# Altium PCB TOP.PcbDoc (part 1 of 2)
Units mil, origin at the board's own origin, x right, y up, seen from the top; angles counter-clockwise.
Board outline 5000 x 5000 mil, 4 copper layers (Top Layer, Mid-Layer 1, Mid-Layer 2, Bottom Layer); 94 components, 612 nets, 1905 pads, 0 vias.
Unrouted connection lines stored in the file: 1094.
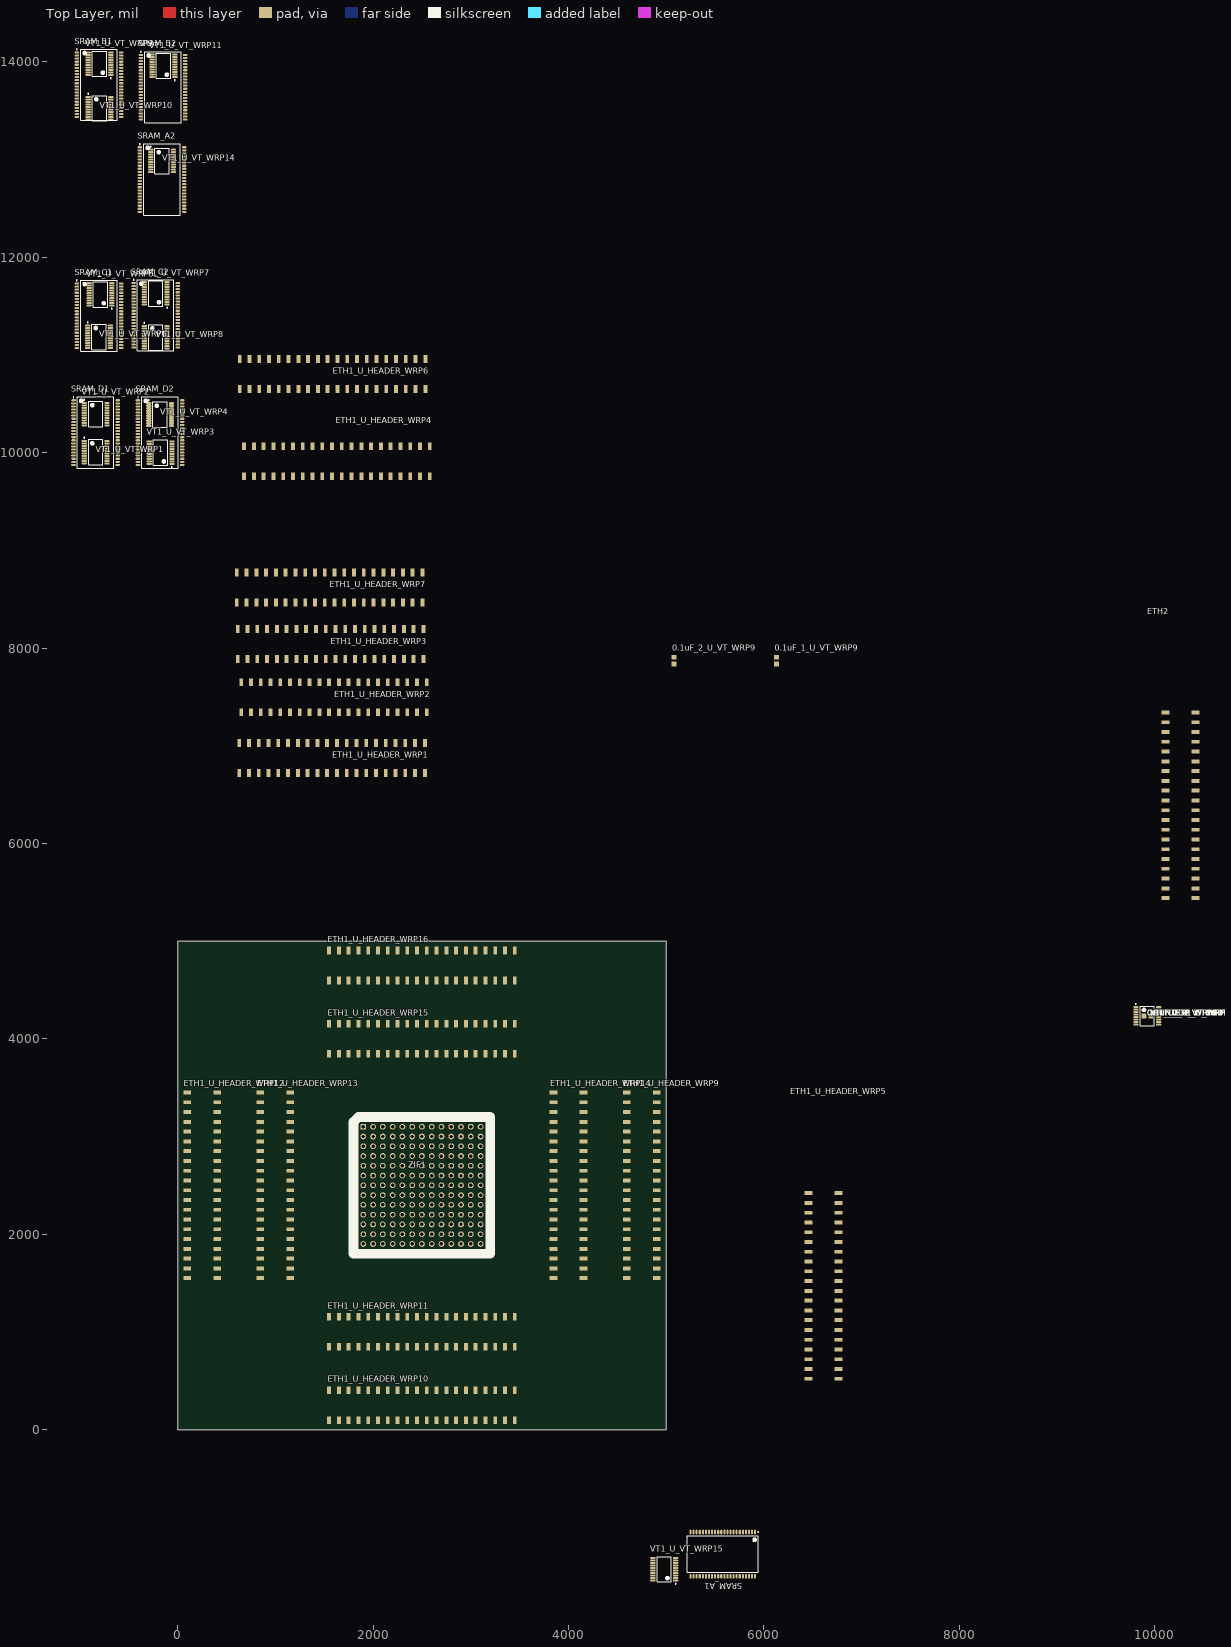
[diagram p0: Top Layer view]
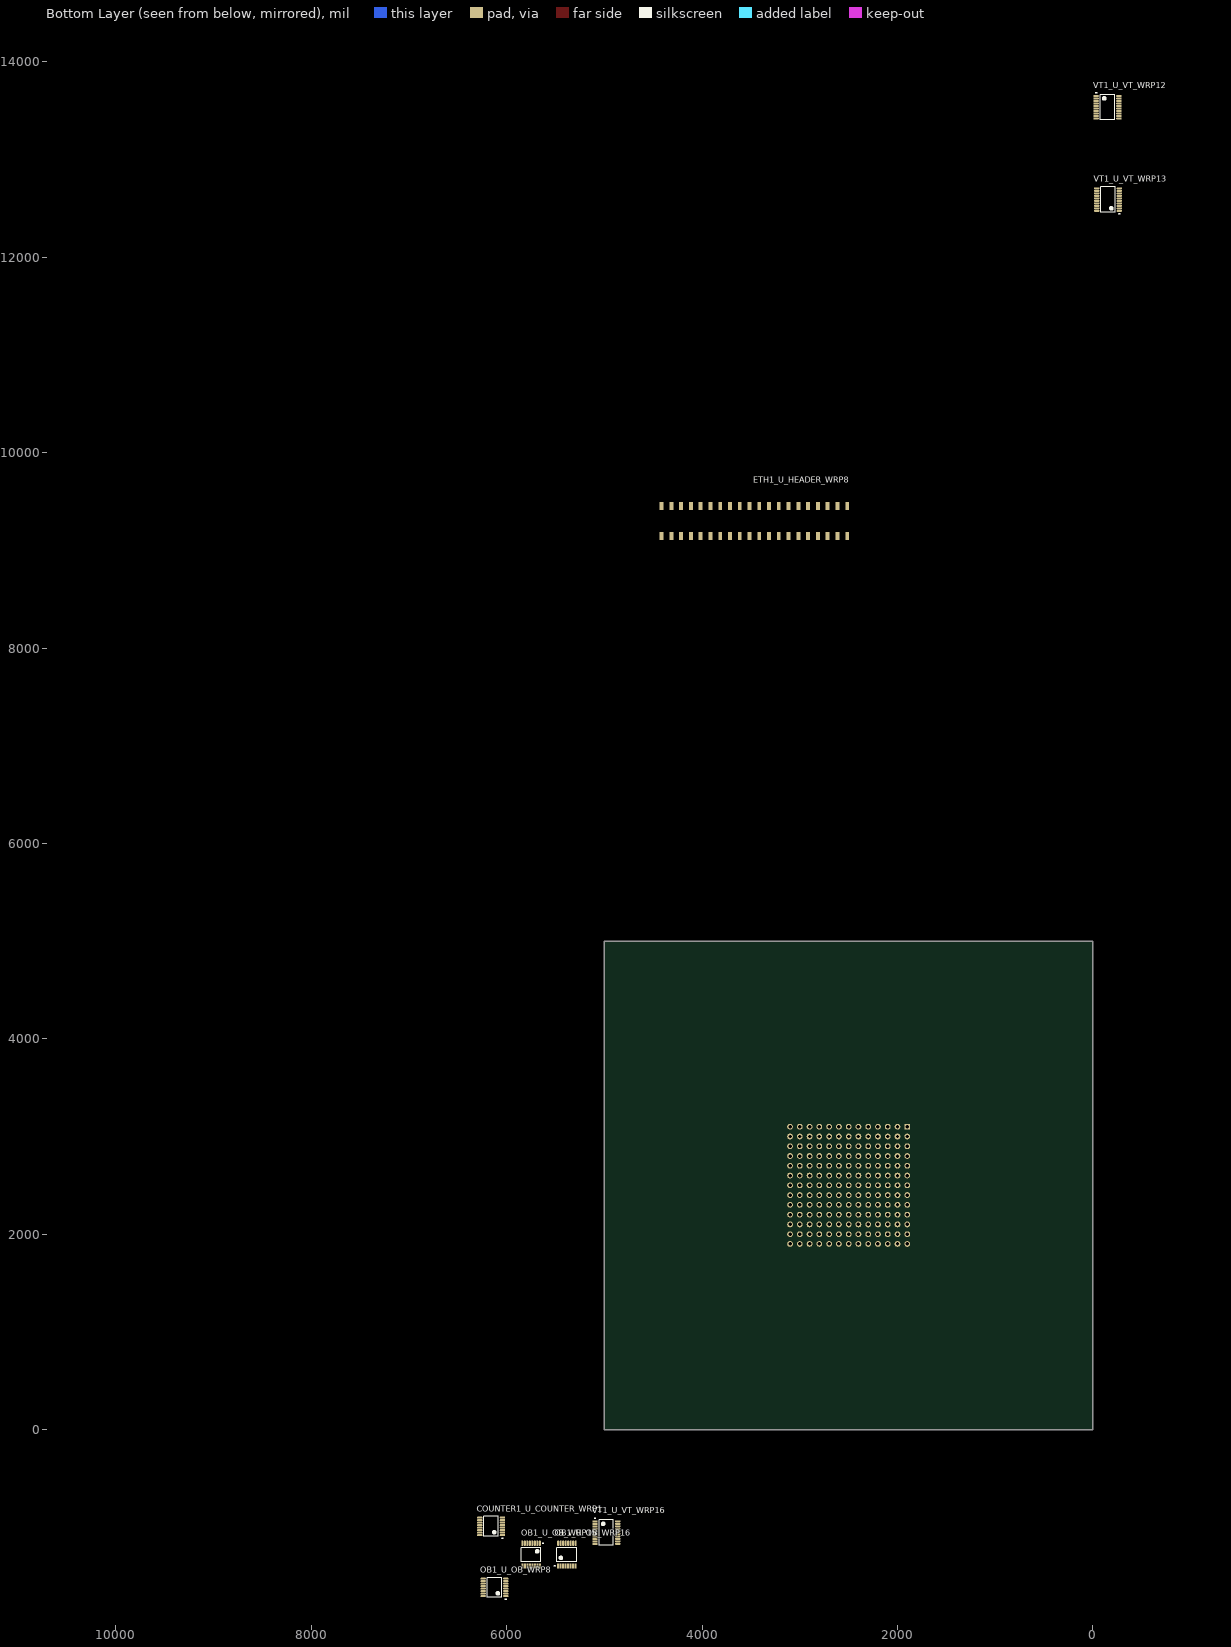
[diagram p1: Bottom Layer view, seen from below]

## Layer stack, top to bottom
Top Solder: solder mask 0.4, Solder Resist, Dk 3.5
Top Layer: signal copper 1.4
Dielectric 1: dielectric 12.6, FR-4, Dk 4.8
Mid-Layer 1: signal copper 1.4
Dielectric2: dielectric 12.6, FR-4, Dk 4.8
Mid-Layer 2: signal copper 1.4
Dielectric3: dielectric 12.6, FR-4, Dk 4.8
Bottom Layer: signal copper 1.4
Bottom Solder: solder mask 0.4, Solder Resist, Dk 3.5

## Board outline
0,0 5000,0 5000,5000 0,5000

## Design rules (kind name [scope] priority, off if disabled: settings)
Clearance [All] p1: gap=8
PolygonConnect [All] p1: connectstyle=Relief reliefconductorwidth=10 reliefentries=4 polygonreliefangle="90 Angle" airgapwidth=10
RoutingVias [All] p1: holewidth=25 width=40 viastyle="Through Hole" minholewidth=28 minwidth=50 maxholewidth=28 maxwidth=50
SolderMaskExpansion [All] p1: expansion=4
Width [All] p1: maxlimit=8 minlimit=8 preferedwidth=8
29 further rules are at their usual default settings.

## Classes and differential pairs
net class INSIDE[127..0]: INSIDE0 INSIDE1 INSIDE2 INSIDE3 INSIDE4 INSIDE5 INSIDE6 INSIDE7 INSIDE8 INSIDE9 INSIDE10 INSIDE11 INSIDE12 INSIDE13 INSIDE14 INSIDE15 INSIDE16 INSIDE17 INSIDE18 INSIDE19 INSIDE20 INSIDE21 INSIDE22 INSIDE23 INSIDE24 INSIDE25 INSIDE26 INSIDE27 INSIDE28 INSIDE29 INSIDE30 INSIDE31 INSIDE32 INSIDE33 INSIDE34 INSIDE35 INSIDE36 INSIDE37 INSIDE38 INSIDE39 INSIDE40 INSIDE41 INSIDE42 INSIDE43 INSIDE44 INSIDE45 INSIDE46 INSIDE47 INSIDE48 INSIDE49 INSIDE50 INSIDE51 INSIDE52 INSIDE53 INSIDE54 INSIDE55 INSIDE56 INSIDE57 INSIDE58 INSIDE59 INSIDE60 INSIDE61 INSIDE62 INSIDE63 INSIDE64 INSIDE65 INSIDE66 INSIDE67 INSIDE68 INSIDE69 INSIDE70 INSIDE71 INSIDE72 INSIDE73 INSIDE74 INSIDE75 INSIDE76 INSIDE77 INSIDE78 INSIDE79 INSIDE80 INSIDE81 INSIDE82 INSIDE83 INSIDE84 INSIDE85 INSIDE86 INSIDE87 INSIDE88 INSIDE89 INSIDE90 INSIDE91 INSIDE92 INSIDE93 INSIDE94 INSIDE95 INSIDE96 INSIDE97 INSIDE98 INSIDE99 INSIDE100 INSIDE101 INSIDE102 INSIDE103 INSIDE104 INSIDE105 INSIDE106 INSIDE107 INSIDE108 INSIDE109 INSIDE110 INSIDE111 INSIDE112 INSIDE113 INSIDE114 INSIDE115 INSIDE116 INSIDE117 INSIDE118 INSIDE119 INSIDE120 INSIDE121 INSIDE122 INSIDE123 INSIDE124 INSIDE125 INSIDE126 INSIDE127
channel class VT_WRP: U_VT_WRP1 U_VT_WRP2 U_VT_WRP3 U_VT_WRP4 U_VT_WRP5 U_VT_WRP6 U_VT_WRP7 U_VT_WRP8 U_VT_WRP9 U_VT_WRP10 U_VT_WRP11 U_VT_WRP12 U_VT_WRP13 U_VT_WRP14 U_VT_WRP15 U_VT_WRP16
channel class SRAM_WRP: U_SRAM_WRP1 U_SRAM_WRP2 U_SRAM_WRP3 U_SRAM_WRP4 U_SRAM_WRP5 U_SRAM_WRP6 U_SRAM_WRP7 U_SRAM_WRP8
channel class OB_WRP: U_OB_WRP1 U_OB_WRP2 U_OB_WRP3 U_OB_WRP4 U_OB_WRP5 U_OB_WRP6 U_OB_WRP7 U_OB_WRP8 U_OB_WRP9 U_OB_WRP10 U_OB_WRP11 U_OB_WRP12 U_OB_WRP13 U_OB_WRP14 U_OB_WRP15 U_OB_WRP16
channel class HEADER_WRP: U_HEADER_WRP1 U_HEADER_WRP2 U_HEADER_WRP3 U_HEADER_WRP4 U_HEADER_WRP5 U_HEADER_WRP6 U_HEADER_WRP7 U_HEADER_WRP8 U_HEADER_WRP9 U_HEADER_WRP10 U_HEADER_WRP11 U_HEADER_WRP12 U_HEADER_WRP13 U_HEADER_WRP14 U_HEADER_WRP15 U_HEADER_WRP16
channel class HEADER_BANK: U_HEADER_BANK1 U_HEADER_BANK2
channel class COUNTER_WRP: U_COUNTER_WRP1 U_COUNTER_WRP2 U_COUNTER_WRP3 U_COUNTER_WRP4
net class EXTERNAL[127..0]: EXTERNAL0 EXTERNAL1 EXTERNAL2 EXTERNAL3 EXTERNAL4 EXTERNAL5 EXTERNAL6 EXTERNAL7 EXTERNAL8 EXTERNAL9 EXTERNAL10 EXTERNAL11 EXTERNAL12 EXTERNAL13 EXTERNAL14 EXTERNAL15 EXTERNAL16 EXTERNAL17 EXTERNAL18 EXTERNAL19 EXTERNAL20 EXTERNAL21 EXTERNAL22 EXTERNAL23 EXTERNAL24 EXTERNAL25 EXTERNAL26 EXTERNAL27 EXTERNAL28 EXTERNAL29 EXTERNAL30 EXTERNAL31 EXTERNAL32 EXTERNAL33 EXTERNAL34 EXTERNAL35 EXTERNAL36 EXTERNAL37 EXTERNAL38 EXTERNAL39 EXTERNAL40 EXTERNAL41 EXTERNAL42 EXTERNAL43 EXTERNAL44 EXTERNAL45 EXTERNAL46 EXTERNAL47 EXTERNAL48 EXTERNAL49 EXTERNAL50 EXTERNAL51 EXTERNAL52 EXTERNAL53 EXTERNAL54 EXTERNAL55 EXTERNAL56 EXTERNAL57 EXTERNAL58 EXTERNAL59 EXTERNAL60 EXTERNAL61 EXTERNAL62 EXTERNAL63 EXTERNAL64 EXTERNAL65 EXTERNAL66 EXTERNAL67 EXTERNAL68 EXTERNAL69 EXTERNAL70 EXTERNAL71 EXTERNAL72 EXTERNAL73 EXTERNAL74 EXTERNAL75 EXTERNAL76 EXTERNAL77 EXTERNAL78 EXTERNAL79 EXTERNAL80 EXTERNAL81 EXTERNAL82 EXTERNAL83 EXTERNAL84 EXTERNAL85 EXTERNAL86 EXTERNAL87 EXTERNAL88 EXTERNAL89 EXTERNAL90 EXTERNAL91 EXTERNAL92 EXTERNAL93 EXTERNAL94 EXTERNAL95 EXTERNAL96 EXTERNAL97 EXTERNAL98 EXTERNAL99 EXTERNAL100 EXTERNAL101 EXTERNAL102 EXTERNAL103 EXTERNAL104 EXTERNAL105 EXTERNAL106 EXTERNAL107 EXTERNAL108 EXTERNAL109 EXTERNAL110 EXTERNAL111 EXTERNAL112 EXTERNAL113 EXTERNAL114 EXTERNAL115 EXTERNAL116 EXTERNAL117 EXTERNAL118 EXTERNAL119 EXTERNAL120 EXTERNAL121 EXTERNAL122 EXTERNAL123 EXTERNAL124 EXTERNAL125 EXTERNAL126 EXTERNAL127
component class U_ZIF_WRP: ZIF1
component class U_VT_WRP16: 0.1uF_1_U_VT_WRP16 0.1uF_2_U_VT_WRP16 VT1_U_VT_WRP16
component class U_VT_WRP15: 0.1uF_1_U_VT_WRP15 0.1uF_2_U_VT_WRP15 VT1_U_VT_WRP15
component class U_VT_WRP14: 0.1uF_1_U_VT_WRP14 0.1uF_2_U_VT_WRP14 VT1_U_VT_WRP14
component class U_VT_WRP13: 0.1uF_1_U_VT_WRP13 0.1uF_2_U_VT_WRP13 VT1_U_VT_WRP13
component class U_VT_WRP12: 0.1uF_1_U_VT_WRP12 0.1uF_2_U_VT_WRP12 VT1_U_VT_WRP12
component class U_VT_WRP11: 0.1uF_1_U_VT_WRP11 0.1uF_2_U_VT_WRP11 VT1_U_VT_WRP11
component class U_VT_WRP10: 0.1uF_1_U_VT_WRP10 0.1uF_2_U_VT_WRP10 VT1_U_VT_WRP10
component class U_VT_WRP9: 0.1uF_1_U_VT_WRP9 0.1uF_2_U_VT_WRP9 VT1_U_VT_WRP9
component class U_VT_WRP8: 0.1uF_1_U_VT_WRP8 0.1uF_2_U_VT_WRP8 VT1_U_VT_WRP8
component class U_VT_WRP7: 0.1uF_1_U_VT_WRP7 0.1uF_2_U_VT_WRP7 VT1_U_VT_WRP7
component class U_VT_WRP6: 0.1uF_1_U_VT_WRP6 0.1uF_2_U_VT_WRP6 VT1_U_VT_WRP6
component class U_VT_WRP5: 0.1uF_1_U_VT_WRP5 0.1uF_2_U_VT_WRP5 VT1_U_VT_WRP5
component class U_VT_WRP4: 0.1uF_1_U_VT_WRP4 0.1uF_2_U_VT_WRP4 VT1_U_VT_WRP4
component class U_VT_WRP3: 0.1uF_1_U_VT_WRP3 0.1uF_2_U_VT_WRP3 VT1_U_VT_WRP3
component class U_VT_WRP2: 0.1uF_1_U_VT_WRP2 0.1uF_2_U_VT_WRP2 VT1_U_VT_WRP2
component class U_VT_WRP1: 0.1uF_1_U_VT_WRP1 0.1uF_2_U_VT_WRP1 VT1_U_VT_WRP1
component class U_SRAM_WRP8: SRAM_A1
component class U_SRAM_WRP7: SRAM_A2
component class U_SRAM_WRP6: SRAM_B2
component class U_SRAM_WRP5: SRAM_B1
component class U_SRAM_WRP4: SRAM_C2
component class U_SRAM_WRP3: SRAM_C1
component class U_SRAM_WRP2: SRAM_D2
component class U_SRAM_WRP1: SRAM_D1
component class U_OB_WRP16: OB1_U_OB_WRP16
component class U_OB_WRP15: OB1_U_OB_WRP15
component class U_OB_WRP14: OB1_U_OB_WRP14
component class U_OB_WRP13: OB1_U_OB_WRP13
component class U_OB_WRP12: OB1_U_OB_WRP12
component class U_OB_WRP11: OB1_U_OB_WRP11
component class U_OB_WRP10: OB1_U_OB_WRP10
component class U_OB_WRP9: OB1_U_OB_WRP9
component class U_OB_WRP8: OB1_U_OB_WRP8
component class U_OB_WRP7: OB1_U_OB_WRP7
component class U_OB_WRP6: OB1_U_OB_WRP6
component class U_OB_WRP5: OB1_U_OB_WRP5
component class U_OB_WRP4: OB1_U_OB_WRP4
component class U_OB_WRP3: OB1_U_OB_WRP3
component class U_OB_WRP2: OB1_U_OB_WRP2
component class U_OB_WRP1: OB1_U_OB_WRP1
component class U_HEADER_WRP16: ETH1_U_HEADER_WRP16
component class U_HEADER_WRP15: ETH1_U_HEADER_WRP15
component class U_HEADER_WRP14: ETH1_U_HEADER_WRP14
component class U_HEADER_WRP13: ETH1_U_HEADER_WRP13
component class U_HEADER_WRP12: ETH1_U_HEADER_WRP12
component class U_HEADER_WRP11: ETH1_U_HEADER_WRP11
component class U_HEADER_WRP10: ETH1_U_HEADER_WRP10
component class U_HEADER_WRP9: ETH1_U_HEADER_WRP9
component class U_HEADER_WRP8: ETH1_U_HEADER_WRP8
component class U_HEADER_WRP7: ETH1_U_HEADER_WRP7
component class U_HEADER_WRP6: ETH1_U_HEADER_WRP6
component class U_HEADER_WRP5: ETH1_U_HEADER_WRP5
component class U_HEADER_WRP4: ETH1_U_HEADER_WRP4
component class U_HEADER_WRP3: ETH1_U_HEADER_WRP3
component class U_HEADER_WRP2: ETH1_U_HEADER_WRP2
component class U_HEADER_WRP1: ETH1_U_HEADER_WRP1
component class U_FPGA_HEADER: ETH2
component class U_COUNTER_WRP4: COUNTER1_U_COUNTER_WRP4
component class U_COUNTER_WRP3: COUNTER1_U_COUNTER_WRP3
component class U_COUNTER_WRP2: COUNTER1_U_COUNTER_WRP2
component class U_COUNTER_WRP1: COUNTER1_U_COUNTER_WRP1

## Components (designator, comment, footprint, x,y, rotation, side; value= is the part's Value field where it differs from the comment)
0.1uF_1_U_VT_WRP1 "0.1uF_0603" 0.1uF_0603 9924.5,4234.5 r0 top (schematic designator 0.1uF_1)
0.1uF_1_U_VT_WRP2 "0.1uF_0603" 0.1uF_0603 9924.5,4234.5 r0 top (schematic designator 0.1uF_1)
0.1uF_1_U_VT_WRP3 "0.1uF_0603" 0.1uF_0603 9924.5,4234.5 r0 top (schematic designator 0.1uF_1)
0.1uF_1_U_VT_WRP4 "0.1uF_0603" 0.1uF_0603 9924.5,4234.5 r0 top (schematic designator 0.1uF_1)
0.1uF_1_U_VT_WRP5 "0.1uF_0603" 0.1uF_0603 9924.5,4234.5 r0 top (schematic designator 0.1uF_1)
0.1uF_1_U_VT_WRP6 "0.1uF_0603" 0.1uF_0603 9924.5,4234.5 r0 top (schematic designator 0.1uF_1)
0.1uF_1_U_VT_WRP7 "0.1uF_0603" 0.1uF_0603 9924.5,4234.5 r0 top (schematic designator 0.1uF_1)
0.1uF_1_U_VT_WRP8 "0.1uF_0603" 0.1uF_0603 9924.5,4234.5 r0 top (schematic designator 0.1uF_1)
0.1uF_1_U_VT_WRP9 "0.1uF_0603" 0.1uF_0603 6130,7870 r90 top (schematic designator 0.1uF_1)
0.1uF_1_U_VT_WRP10 "0.1uF_0603" 0.1uF_0603 9924.5,4234.5 r0 top (schematic designator 0.1uF_1)
0.1uF_1_U_VT_WRP11 "0.1uF_0603" 0.1uF_0603 9924.5,4234.5 r0 top (schematic designator 0.1uF_1)
0.1uF_1_U_VT_WRP12 "0.1uF_0603" 0.1uF_0603 9924.5,4234.5 r0 top (schematic designator 0.1uF_1)
0.1uF_1_U_VT_WRP13 "0.1uF_0603" 0.1uF_0603 9924.5,4234.5 r0 top (schematic designator 0.1uF_1)
0.1uF_1_U_VT_WRP14 "0.1uF_0603" 0.1uF_0603 9924.5,4234.5 r0 top (schematic designator 0.1uF_1)
0.1uF_1_U_VT_WRP15 "0.1uF_0603" 0.1uF_0603 9924.5,4234.5 r0 top (schematic designator 0.1uF_1)
0.1uF_1_U_VT_WRP16 "0.1uF_0603" 0.1uF_0603 9924.5,4234.5 r0 top (schematic designator 0.1uF_1)
0.1uF_2_U_VT_WRP1 "0.1uF_0603" 0.1uF_0603 9924.5,4234.5 r0 top (schematic designator 0.1uF_2)
0.1uF_2_U_VT_WRP2 "0.1uF_0603" 0.1uF_0603 9924.5,4234.5 r0 top (schematic designator 0.1uF_2)
0.1uF_2_U_VT_WRP3 "0.1uF_0603" 0.1uF_0603 9924.5,4234.5 r0 top (schematic designator 0.1uF_2)
0.1uF_2_U_VT_WRP4 "0.1uF_0603" 0.1uF_0603 9924.5,4234.5 r0 top (schematic designator 0.1uF_2)
0.1uF_2_U_VT_WRP5 "0.1uF_0603" 0.1uF_0603 9924.5,4234.5 r0 top (schematic designator 0.1uF_2)
0.1uF_2_U_VT_WRP6 "0.1uF_0603" 0.1uF_0603 9924.5,4234.5 r0 top (schematic designator 0.1uF_2)
0.1uF_2_U_VT_WRP7 "0.1uF_0603" 0.1uF_0603 9924.5,4234.5 r0 top (schematic designator 0.1uF_2)
0.1uF_2_U_VT_WRP8 "0.1uF_0603" 0.1uF_0603 9924.5,4234.5 r0 top (schematic designator 0.1uF_2)
0.1uF_2_U_VT_WRP9 "0.1uF_0603" 0.1uF_0603 5080,7870 r90 top (schematic designator 0.1uF_2)
0.1uF_2_U_VT_WRP10 "0.1uF_0603" 0.1uF_0603 9924.5,4234.5 r0 top (schematic designator 0.1uF_2)
0.1uF_2_U_VT_WRP11 "0.1uF_0603" 0.1uF_0603 9924.5,4234.5 r0 top (schematic designator 0.1uF_2)
0.1uF_2_U_VT_WRP12 "0.1uF_0603" 0.1uF_0603 9924.5,4234.5 r0 top (schematic designator 0.1uF_2)
0.1uF_2_U_VT_WRP13 "0.1uF_0603" 0.1uF_0603 9924.5,4234.5 r0 top (schematic designator 0.1uF_2)
0.1uF_2_U_VT_WRP14 "0.1uF_0603" 0.1uF_0603 9924.5,4234.5 r0 top (schematic designator 0.1uF_2)
0.1uF_2_U_VT_WRP15 "0.1uF_0603" 0.1uF_0603 9924.5,4234.5 r0 top (schematic designator 0.1uF_2)
0.1uF_2_U_VT_WRP16 "0.1uF_0603" 0.1uF_0603 9924.5,4234.5 r0 top (schematic designator 0.1uF_2)
COUNTER1_U_COUNTER_WRP1 "74VHC4040FT(BJ)" COUNTER_TSSOP16 6160,-990 r0 bottom (schematic designator COUNTER1)
COUNTER1_U_COUNTER_WRP2 "74VHC4040FT(BJ)" COUNTER_TSSOP16 9924.5,4234.5 r0 top (schematic designator COUNTER1)
COUNTER1_U_COUNTER_WRP3 "74VHC4040FT(BJ)" COUNTER_TSSOP16 9924.5,4234.5 r0 top (schematic designator COUNTER1)
COUNTER1_U_COUNTER_WRP4 "74VHC4040FT(BJ)" COUNTER_TSSOP16 9924.5,4234.5 r0 top (schematic designator COUNTER1)
ETH1_U_HEADER_WRP1 "ADAFRUIT_HEADER" FEMALE_HEADER_SMD 1580,6875 r0 top (schematic designator ETH1)
ETH1_U_HEADER_WRP2 "ADAFRUIT_HEADER" FEMALE_HEADER_SMD 1600,7495 r0 top (schematic designator ETH1)
ETH1_U_HEADER_WRP3 "ADAFRUIT_HEADER" FEMALE_HEADER_SMD 1565,8040 r0 top (schematic designator ETH1)
ETH1_U_HEADER_WRP4 "ADAFRUIT_HEADER" FEMALE_HEADER_SMD 1630,9910 r0 top (schematic designator ETH1)
ETH1_U_HEADER_WRP5 "ADAFRUIT_HEADER" FEMALE_HEADER_SMD 6610,1470 r90 top (schematic designator ETH1)
ETH1_U_HEADER_WRP6 "ADAFRUIT_HEADER" FEMALE_HEADER_SMD 1585,10805 r0 top (schematic designator ETH1)
ETH1_U_HEADER_WRP7 "ADAFRUIT_HEADER" FEMALE_HEADER_SMD 1555,8620 r0 top (schematic designator ETH1)
ETH1_U_HEADER_WRP8 "ADAFRUIT_HEADER" FEMALE_HEADER_SMD 3465,9300 r180 bottom (schematic designator ETH1)
ETH1_U_HEADER_WRP9 "ADAFRUIT_HEADER" FEMALE_HEADER_SMD 4750,2500 r90 top (schematic designator ETH1)
ETH1_U_HEADER_WRP10 "ADAFRUIT_HEADER" FEMALE_HEADER_SMD 2500,250 r180 top (schematic designator ETH1)
ETH1_U_HEADER_WRP11 "ADAFRUIT_HEADER" FEMALE_HEADER_SMD 2500,1000 r180 top (schematic designator ETH1)
ETH1_U_HEADER_WRP12 "ADAFRUIT_HEADER" FEMALE_HEADER_SMD 250,2500 r90 top (schematic designator ETH1)
ETH1_U_HEADER_WRP13 "ADAFRUIT_HEADER" FEMALE_HEADER_SMD 1000,2500 r270 top (schematic designator ETH1)
ETH1_U_HEADER_WRP14 "ADAFRUIT_HEADER" FEMALE_HEADER_SMD 4000,2500 r270 top (schematic designator ETH1)
ETH1_U_HEADER_WRP15 "ADAFRUIT_HEADER" FEMALE_HEADER_SMD 2500,4000 r180 top (schematic designator ETH1)
ETH1_U_HEADER_WRP16 "ADAFRUIT_HEADER" FEMALE_HEADER_SMD 2500,4750 r180 top (schematic designator ETH1)
ETH2 "ADAFRUIT_HEADER" FEMALE_HEADER_SMD 10265,6390 r90 top
OB1_U_OB_WRP1 "74HC597PW,118" OB_TSSOP16 9924.5,4234.5 r0 top (schematic designator OB1)
OB1_U_OB_WRP2 "74HC597PW,118" OB_TSSOP16 9924.5,4234.5 r0 top (schematic designator OB1)
OB1_U_OB_WRP3 "74HC597PW,118" OB_TSSOP16 9924.5,4234.5 r0 top (schematic designator OB1)
OB1_U_OB_WRP4 "74HC597PW,118" OB_TSSOP16 9924.5,4234.5 r0 top (schematic designator OB1)
OB1_U_OB_WRP5 "74HC597PW,118" OB_TSSOP16 9924.5,4234.5 r0 top (schematic designator OB1)
OB1_U_OB_WRP6 "74HC597PW,118" OB_TSSOP16 9924.5,4234.5 r0 top (schematic designator OB1)
OB1_U_OB_WRP7 "74HC597PW,118" OB_TSSOP16 9924.5,4234.5 r0 top (schematic designator OB1)
OB1_U_OB_WRP8 "74HC597PW,118" OB_TSSOP16 6125,-1615 r0 bottom (schematic designator OB1)
OB1_U_OB_WRP9 "74HC597PW,118" OB_TSSOP16 9924.5,4234.5 r0 top (schematic designator OB1)
OB1_U_OB_WRP10 "74HC597PW,118" OB_TSSOP16 9924.5,4234.5 r0 top (schematic designator OB1)
OB1_U_OB_WRP11 "74HC597PW,118" OB_TSSOP16 9924.5,4234.5 r0 top (schematic designator OB1)
OB1_U_OB_WRP12 "74HC597PW,118" OB_TSSOP16 9924.5,4234.5 r0 top (schematic designator OB1)
OB1_U_OB_WRP13 "74HC597PW,118" OB_TSSOP16 9924.5,4234.5 r0 top (schematic designator OB1)
OB1_U_OB_WRP14 "74HC597PW,118" OB_TSSOP16 9924.5,4234.5 r0 top (schematic designator OB1)
OB1_U_OB_WRP15 "74HC597PW,118" OB_TSSOP16 5750,-1280 r270 bottom (schematic designator OB1)
OB1_U_OB_WRP16 "74HC597PW,118" OB_TSSOP16 5385,-1280 r90 bottom (schematic designator OB1)
SRAM_A1 "71V016SA10PHG" SRAM_TSSOP44-II 5580,-1275 r270 top (schematic designator SRAM1)
SRAM_A2 "71V016SA10PHG" SRAM_TSSOP44-II -160,12795 r0 top (schematic designator SRAM1)
SRAM_B1 "71V016SA10PHG" SRAM_TSSOP44-II -805,13765 r0 top (schematic designator SRAM1)
SRAM_B2 "71V016SA10PHG" SRAM_TSSOP44-II -150,13740 r0 top (schematic designator SRAM1)
SRAM_C1 "71V016SA10PHG" SRAM_TSSOP44-II -805,11400 r0 top (schematic designator SRAM1)
SRAM_C2 "71V016SA10PHG" SRAM_TSSOP44-II -225,11405 r0 top (schematic designator SRAM1)
SRAM_D1 "71V016SA10PHG" SRAM_TSSOP44-II -840,10205 r0 top (schematic designator SRAM1)
SRAM_D2 "71V016SA10PHG" SRAM_TSSOP44-II -180,10205 r0 top (schematic designator SRAM1)
VT1_U_VT_WRP1 "MAX3012EUP+" VT_TSSOP20 -840,10005 r0 top (schematic designator VT1)
VT1_U_VT_WRP2 "MAX3012EUP+" VT_TSSOP20 -840,10395 r0 top (schematic designator VT1)
VT1_U_VT_WRP3 "MAX3012EUP+" VT_TSSOP20 -175,10000 r180 top (schematic designator VT1)
VT1_U_VT_WRP4 "MAX3012EUP+" VT_TSSOP20 -180,10390 r0 top (schematic designator VT1)
VT1_U_VT_WRP5 "MAX3012EUP+" VT_TSSOP20 -790,11620 r180 top (schematic designator VT1)
VT1_U_VT_WRP6 "MAX3012EUP+" VT_TSSOP20 -805,11185 r0 top (schematic designator VT1)
VT1_U_VT_WRP7 "MAX3012EUP+" VT_TSSOP20 -225,11630 r180 top (schematic designator VT1)
VT1_U_VT_WRP8 "MAX3012EUP+" VT_TSSOP20 -225,11180 r0 top (schematic designator VT1)
VT1_U_VT_WRP9 "MAX3012EUP+" VT_TSSOP20 -800,13980 r180 top (schematic designator VT1)
VT1_U_VT_WRP10 "MAX3012EUP+" VT_TSSOP20 -800,13525 r0 top (schematic designator VT1)
VT1_U_VT_WRP11 "MAX3012EUP+" VT_TSSOP20 -145,13960 r180 top (schematic designator VT1)
VT1_U_VT_WRP12 "MAX3012EUP+" VT_TSSOP20 -150,13535 r180 bottom (schematic designator VT1)
VT1_U_VT_WRP13 "MAX3012EUP+" VT_TSSOP20 -155,12590 r0 bottom (schematic designator VT1)
VT1_U_VT_WRP14 "MAX3012EUP+" VT_TSSOP20 -160,12985 r0 top (schematic designator VT1)
VT1_U_VT_WRP15 "MAX3012EUP+" VT_TSSOP20 4980,-1430 r180 top (schematic designator VT1)
VT1_U_VT_WRP16 "MAX3012EUP+" VT_TSSOP20 4980,-1055 r180 bottom (schematic designator VT1)
ZIF1 "200-6313-9UN-1900" ZIF_13X13 2500,2500 r0 top

## Footprints (in the part's own frame and the unit in brackets; to place one, negate y for a bottom-side part, rotate by r counter-clockwise, add the part's x,y. Pads: shape width x height; smd on the part's side, far side on the other; paste and mask are expansions set on the pad)
0.1uF_0603 [mil]
  rect 50x50 smd: 1(-35,0) 2(35,0)
COUNTER_TSSOP16 [mm] "TSOP, 16-Leads, Body 5.00x4.40mm, Pitch 0.65mm, IPC Medium Density"
  oval 1.4x0.525 smd: ADDR0(2.95,-2.275) ADDR1(-2.95,-1.625) ADDR2(-2.95,-0.975) ADDR3(-2.95,-0.325) ADDR4(-2.95,0.975) ADDR5(-2.95,1.625) ADDR6(-2.95,0.325) ADDR7(2.95,0.325) ADDR8(2.95,-0.325) ADDR9(2.95,0.975) ADDR10(2.95,1.625) ADDR11(-2.95,2.275) CLR(2.95,-0.975) GND(-2.95,-2.275) VCC(2.95,2.275) ~CLK(2.95,-1.625)
  silkscreen extent -3.07,-2.55 1.85,3.21, body extent -3.2,-2.55 3.2,2.55, height 1.2
FEMALE_HEADER_SMD [mm]
  rect 1x2 smd: 1(-24.13,-3.9) 2(-21.59,-3.9) 3(-19.05,-3.9) 4(-16.51,-3.9) 5(-13.97,-3.9) 6(-11.43,-3.9) 7(-8.89,-3.9) 8(-6.35,-3.9) 9(-3.81,-3.9) 10(-1.27,-3.9) 11(1.27,-3.9) 12(3.81,-3.9) 13(6.35,-3.9) 14(8.89,-3.9) 15(11.43,-3.9) 16(13.97,-3.9) 17(16.51,-3.9) 18(19.05,-3.9) 19(21.59,-3.9) 20(24.13,-3.9) 21(-24.13,3.9) 22(-21.59,3.9) 23(-19.05,3.9) 24(-16.51,3.9) 25(-13.97,3.9) 26(-11.43,3.9) 27(-8.89,3.9) 28(-6.35,3.9) 29(-3.81,3.9) 30(-1.27,3.9) 31(1.27,3.9) 32(3.81,3.9) 33(6.35,3.9) 34(8.89,3.9) 35(11.43,3.9) 36(13.97,3.9) 37(16.51,3.9) 38(19.05,3.9) 39(21.59,3.9) 40(24.13,3.9)
OB_TSSOP16 [mm] "TSOP, 16-Leads, Body 5.00x4.40mm, Pitch 0.65mm, IPC Medium Density"
  oval 1.4x0.525 smd: D0(2.95,1.625) D1(-2.95,2.275) D2(-2.95,1.625) D3(-2.95,0.975) D4(-2.95,0.325) D5(-2.95,-0.325) D6(-2.95,-0.975) D7(-2.95,-1.625) DS(2.95,0.975) GND(-2.95,-2.275) Q(2.95,-2.275) SHCP(2.95,-0.975) STCP(2.95,-0.325) VCC(2.95,2.275) ~MR(2.95,-1.625) ~PL(2.95,0.325)
  silkscreen extent -3.07,-2.55 1.85,3.21, body extent -3.2,-2.55 3.2,2.55, height 1.1
SRAM_TSSOP44-II [mm] "TSOP, 44-Leads, Body 18.41x10.16mm, Pitch 0.80mm, IPC Medium Density"
  oval 1.2x0.55 smd: ADDR0(-5.75,5.2) ADDR1(-5.75,6) ADDR2(-5.75,6.8) ADDR3(-5.75,7.6) ADDR4(-5.75,8.4) ADDR5(5.75,8.4) ADDR6(5.75,7.6) ADDR7(5.75,6.8) ADDR8(5.75,-5.2) ADDR9(5.75,-6) ADDR10(5.75,-6.8) ADDR11(5.75,-7.6) ADDR12(-5.75,-7.6) ADDR13(-5.75,-6.8) ADDR14(-5.75,-6) ADDR15(-5.75,-5.2) DATA0(-5.75,3.6) DATA1(-5.75,2.8) DATA2(-5.75,2) DATA3(-5.75,1.2) DATA4(-5.75,-1.2) DATA5(-5.75,-2) DATA6(-5.75,-2.8) DATA7(-5.75,-3.6) DATA8(5.75,-3.6) DATA9(5.75,-2.8) DATA10(5.75,-2) DATA11(5.75,-1.2) DATA12(5.75,1.2) DATA13(5.75,2) DATA14(5.75,2.8) DATA15(5.75,3.6) NC1(5.75,-8.4) NC2(5.75,-4.4) NC3(-5.75,-8.4) VDD(-5.75,0.4) VDD(5.75,-0.4) VSS(-5.75,-0.4) VSS(5.75,0.4) ~BHE(5.75,5.2) ~BLE(5.75,4.4) ~CS(-5.75,4.4) ~OE(5.75,6) ~WE(-5.75,-4.4)
  silkscreen extent -5.87,-9.25 4.75,9.35, body extent -5.92,-9.25 5.92,9.25, height 1.19
VT_TSSOP20 [mm] "TSOP, 20-Leads, Body 6.50x4.40mm, Pitch 0.65mm, IPC Medium Density"
  oval 1.4x0.525 smd: EN(-2.95,-2.925) GND(2.95,-2.925) IVCC0(2.95,2.925) IVCC1(2.95,1.625) IVCC2(2.95,0.975) IVCC3(2.95,0.325) IVCC4(2.95,-0.325) IVCC5(2.95,-0.975) IVCC6(2.95,-1.625) IVCC7(2.95,-2.275) OVL0(-2.95,2.925) OVL1(-2.95,1.625) OVL2(-2.95,0.975) OVL3(-2.95,0.325) OVL4(-2.95,-0.325) OVL5(-2.95,-0.975) OVL6(-2.95,-1.625) OVL7(-2.95,-2.275) VCC(2.95,2.275) VL(-2.95,2.275)
  silkscreen extent -3.07,-3.3 1.85,3.86, body extent -3.2,-3.3 3.2,3.3, height 1.1
ZIF_13X13 [mm]
  round 1.5 hole 0.9: 1(-12.7,15.24) 2(-10.16,15.24) 3(-7.62,15.24) 4(-5.08,15.24) 5(-2.54,15.24) 6(0,15.24) 7(2.54,15.24) 8(5.08,15.24) 9(7.62,15.24) 10(10.16,15.24) 11(12.7,15.24) 12(15.24,15.24) 13(-12.7,12.7) 14(-10.16,12.7) 15(-7.62,12.7) 16(-5.08,12.7) 17(-2.54,12.7) 18(0,12.7) 19(2.54,12.7) 20(5.08,12.7) 21(7.62,12.7) 22(10.16,12.7) 23(12.7,12.7) 24(15.24,12.7) 25(-12.7,10.16) 26(-10.16,10.16) 27(-7.62,10.16) 28(-5.08,10.16) 29(-2.54,10.16) 30(0,10.16) 31(2.54,10.16) 32(5.08,10.16) 33(7.62,10.16) 34(10.16,10.16) 35(12.7,10.16) 36(15.24,10.16) 37(-12.7,7.62) 38(-10.16,7.62) 39(-7.62,7.62) 40(-2.54,7.62) 41(0,7.62) 42(2.54,7.62) 43(10.16,7.62) 44(12.7,7.62) 45(15.24,7.62) 46(-12.7,5.08) 47(-10.16,5.08) 48(-7.62,5.08) 49(10.16,5.08) 50(12.7,5.08) 51(15.24,5.08) 52(-12.7,2.54) 53(-10.16,2.54) 54(-7.62,2.54) 55(7.62,2.54) 56(10.16,2.54) 57(12.7,2.54) 58(15.24,2.54) 59(-12.7,0) 60(-10.16,0) 61(-7.62,0) 62(7.62,0) 63(10.16,0) 64(12.7,0) 65(15.24,0) 66(-12.7,-2.54) 67(-10.16,-2.54) 68(-7.62,-2.54) 69(7.62,-2.54) 70(10.16,-2.54) 71(12.7,-2.54) 72(15.24,-2.54) 73(-12.7,-5.08) 74(-10.16,-5.08) 75(-7.62,-5.08) 76(10.16,-5.08) 77(12.7,-5.08) 78(15.24,-5.08) 79(-12.7,-7.62) 80(-10.16,-7.62) 81(-7.62,-7.62) 82(-5.08,-7.62) 83(-2.54,-7.62) 84(0,-7.62) 85(2.54,-7.62) 86(5.08,-7.62) 87(7.62,-7.62) 88(10.16,-7.62) 89(12.7,-7.62) 90(15.24,-7.62) 91(-12.7,-10.16) 92(-10.16,-10.16) 93(-7.62,-10.16) 94(-5.08,-10.16) 95(-2.54,-10.16) 96(0,-10.16) 97(2.54,-10.16) 98(5.08,-10.16) 99(7.62,-10.16) 100(10.16,-10.16) 101(12.7,-10.16) 102(15.24,-10.16) 103(-12.7,-12.7) 104(-10.16,-12.7) 105(-7.62,-12.7) 106(-5.08,-12.7) 107(-2.54,-12.7) 108(0,-12.7) 109(2.54,-12.7) 110(5.08,-12.7) 111(7.62,-12.7) 112(10.16,-12.7) 113(12.7,-12.7) 114(15.24,-12.7) 115(-12.7,-15.24) 116(-10.16,-15.24) 117(-7.62,-15.24) 118(-5.08,-15.24) 119(-2.54,-15.24) 120(0,-15.24) 121(2.54,-15.24) 122(5.08,-15.24) 123(7.62,-15.24) 124(10.16,-15.24) 125(12.7,-15.24) 126(15.24,-15.24) 127(-5.08,7.62) 128(5.08,7.62) 129(7.62,7.62) 130(-5.08,5.08) 131(-2.54,5.08) 132(0,5.08) 133(2.54,5.08) 134(5.08,5.08) 135(7.62,5.08) 136(-5.08,2.54) 137(-2.54,2.54) 138(0,2.54) 139(2.54,2.54) 140(5.08,2.54) 141(-5.08,0) 142(-2.54,0) 143(0,0) 144(2.54,0) 145(5.08,0) 146(-5.08,-2.54) 147(-2.54,-2.54) 148(0,-2.54) 149(2.54,-2.54) 150(5.08,-2.54) 151(-5.08,-5.08) 152(-2.54,-5.08) 153(0,-5.08) 154(2.54,-5.08) 155(5.08,-5.08) 156(7.62,-5.08) 157(-15.24,-15.24) 158(-15.24,-12.7) 159(-15.24,-10.16) 160(-15.24,-7.62) 161(-15.24,-5.08) 162(-15.24,-2.54) 163(-15.24,0) 164(-15.24,2.54) 165(-15.24,5.08) 166(-15.24,7.62) 167(-15.24,10.16) 168(-15.24,12.7)
  rect 1.5x1.5 hole 0.9: 169(-15.24,15.24)
  silkscreen extent -17.78,-17.78 17.78,17.78

## Part data
COUNTER1_U_COUNTER_WRP1 COUNTER1_U_COUNTER_WRP2 COUNTER1_U_COUNTER_WRP3 COUNTER1_U_COUNTER_WRP4: "IC COUNTER BIN 12STAGE 16-TSSOP"
ETH1_U_HEADER_WRP1 ETH1_U_HEADER_WRP2 ETH1_U_HEADER_WRP3 ETH1_U_HEADER_WRP4 ETH1_U_HEADER_WRP5 ETH1_U_HEADER_WRP6 ETH1_U_HEADER_WRP7 ETH1_U_HEADER_WRP8 ETH1_U_HEADER_WRP9 ETH1_U_HEADER_WRP10 ETH1_U_HEADER_WRP11 ETH1_U_HEADER_WRP12 ETH1_U_HEADER_WRP13 ETH1_U_HEADER_WRP14 ETH1_U_HEADER_WRP15 ETH1_U_HEADER_WRP16 ETH2: "Extra tall female header (SMD)"
OB1_U_OB_WRP1 OB1_U_OB_WRP2 OB1_U_OB_WRP3 OB1_U_OB_WRP4 OB1_U_OB_WRP5 OB1_U_OB_WRP6 OB1_U_OB_WRP7 OB1_U_OB_WRP8 OB1_U_OB_WRP9 OB1_U_OB_WRP10 OB1_U_OB_WRP11 OB1_U_OB_WRP12 OB1_U_OB_WRP13 OB1_U_OB_WRP14 OB1_U_OB_WRP15 OB1_U_OB_WRP16: "IC 8BIT SHIFT REGISTER 16TSSOP"
SRAM_A1 SRAM_A2 SRAM_B1 SRAM_B2 SRAM_C1 SRAM_C2 SRAM_D1 SRAM_D2: "IC SRAM 1MBIT 10NS 44TSOP"
VT1_U_VT_WRP1 VT1_U_VT_WRP2 VT1_U_VT_WRP3 VT1_U_VT_WRP4 VT1_U_VT_WRP5 VT1_U_VT_WRP6 VT1_U_VT_WRP7 VT1_U_VT_WRP8 VT1_U_VT_WRP9 VT1_U_VT_WRP10 VT1_U_VT_WRP11 VT1_U_VT_WRP12 VT1_U_VT_WRP13 VT1_U_VT_WRP14 VT1_U_VT_WRP15 VT1_U_VT_WRP16: "IC TRANSLATOR LEVEL 8CH 20-TSSOP"
ZIF1: "CONN SOCKET PGA ZIF 169POS GOLD"

## Nets (pads, with @x,y where several pads share a name; then routed paths per layer and width w, separated by ;. In a path a pad name is that pad's centre, name@x,y a point inside that pad or via, vN(x,y) a via of type N, cw(c..) or ccw(c..) an arc to the next point about the centre after c; other vN are vias at no path point)
3V3: 0.1uF_1_U_VT_WRP1.1 0.1uF_1_U_VT_WRP2.1 0.1uF_1_U_VT_WRP3.1 0.1uF_1_U_VT_WRP4.1 0.1uF_1_U_VT_WRP5.1 0.1uF_1_U_VT_WRP6.1 0.1uF_1_U_VT_WRP7.1 0.1uF_1_U_VT_WRP8.1 0.1uF_1_U_VT_WRP9.1 0.1uF_1_U_VT_WRP10.1 0.1uF_1_U_VT_WRP11.1 0.1uF_1_U_VT_WRP12.1 0.1uF_1_U_VT_WRP13.1 0.1uF_1_U_VT_WRP14.1 0.1uF_1_U_VT_WRP15.1 0.1uF_1_U_VT_WRP16.1 COUNTER1_U_COUNTER_WRP1.VCC COUNTER1_U_COUNTER_WRP2.VCC COUNTER1_U_COUNTER_WRP3.VCC COUNTER1_U_COUNTER_WRP4.VCC ETH2.39 OB1_U_OB_WRP1.VCC OB1_U_OB_WRP2.VCC OB1_U_OB_WRP3.VCC OB1_U_OB_WRP4.VCC OB1_U_OB_WRP5.VCC OB1_U_OB_WRP6.VCC OB1_U_OB_WRP7.VCC OB1_U_OB_WRP8.VCC OB1_U_OB_WRP9.VCC OB1_U_OB_WRP10.VCC OB1_U_OB_WRP11.VCC OB1_U_OB_WRP12.VCC OB1_U_OB_WRP13.VCC OB1_U_OB_WRP14.VCC OB1_U_OB_WRP15.VCC OB1_U_OB_WRP16.VCC SRAM_A1.VDD SRAM_A2.VDD SRAM_B1.VDD SRAM_B2.VDD SRAM_C1.VDD SRAM_C2.VDD SRAM_D1.VDD SRAM_D2.VDD VT1_U_VT_WRP1.VL VT1_U_VT_WRP2.VL VT1_U_VT_WRP3.VL VT1_U_VT_WRP4.VL VT1_U_VT_WRP5.VL VT1_U_VT_WRP6.VL VT1_U_VT_WRP7.VL VT1_U_VT_WRP8.VL VT1_U_VT_WRP9.VL VT1_U_VT_WRP10.VL VT1_U_VT_WRP11.VL VT1_U_VT_WRP12.VL VT1_U_VT_WRP13.VL VT1_U_VT_WRP14.VL VT1_U_VT_WRP15.VL VT1_U_VT_WRP16.VL
ADDRA_B0: COUNTER1_U_COUNTER_WRP4.ADDR0 SRAM_A1.ADDR0 SRAM_A2.ADDR0
ADDRA_B1: COUNTER1_U_COUNTER_WRP4.ADDR1 SRAM_A1.ADDR1 SRAM_A2.ADDR1
ADDRA_B2: COUNTER1_U_COUNTER_WRP4.ADDR2 SRAM_A1.ADDR2 SRAM_A2.ADDR2
ADDRA_B3: COUNTER1_U_COUNTER_WRP4.ADDR3 SRAM_A1.ADDR3 SRAM_A2.ADDR3
ADDRA_B4: COUNTER1_U_COUNTER_WRP4.ADDR4 SRAM_A1.ADDR4 SRAM_A2.ADDR4
ADDRA_B5: COUNTER1_U_COUNTER_WRP4.ADDR5 SRAM_A1.ADDR5 SRAM_A2.ADDR5
ADDRA_B6: COUNTER1_U_COUNTER_WRP4.ADDR6 SRAM_A1.ADDR6 SRAM_A2.ADDR6
ADDRA_B7: COUNTER1_U_COUNTER_WRP4.ADDR7 SRAM_A1.ADDR7 SRAM_A2.ADDR7
ADDRA_B8: COUNTER1_U_COUNTER_WRP4.ADDR8 SRAM_A1.ADDR8 SRAM_A2.ADDR8
ADDRA_B9: COUNTER1_U_COUNTER_WRP4.ADDR9 SRAM_A1.ADDR9 SRAM_A2.ADDR9
ADDRA_B10: COUNTER1_U_COUNTER_WRP4.ADDR10 SRAM_A1.ADDR10 SRAM_A2.ADDR10
ADDRA_B11: COUNTER1_U_COUNTER_WRP4.ADDR11 SRAM_A1.ADDR11 SRAM_A2.ADDR11
ADDRB_B0: COUNTER1_U_COUNTER_WRP3.ADDR0 SRAM_B1.ADDR0 SRAM_B2.ADDR0
ADDRB_B1: COUNTER1_U_COUNTER_WRP3.ADDR1 SRAM_B1.ADDR1 SRAM_B2.ADDR1
ADDRB_B2: COUNTER1_U_COUNTER_WRP3.ADDR2 SRAM_B1.ADDR2 SRAM_B2.ADDR2
ADDRB_B3: COUNTER1_U_COUNTER_WRP3.ADDR3 SRAM_B1.ADDR3 SRAM_B2.ADDR3
ADDRB_B4: COUNTER1_U_COUNTER_WRP3.ADDR4 SRAM_B1.ADDR4 SRAM_B2.ADDR4
ADDRB_B5: COUNTER1_U_COUNTER_WRP3.ADDR5 SRAM_B1.ADDR5 SRAM_B2.ADDR5
ADDRB_B6: COUNTER1_U_COUNTER_WRP3.ADDR6 SRAM_B1.ADDR6 SRAM_B2.ADDR6
ADDRB_B7: COUNTER1_U_COUNTER_WRP3.ADDR7 SRAM_B1.ADDR7 SRAM_B2.ADDR7
ADDRB_B8: COUNTER1_U_COUNTER_WRP3.ADDR8 SRAM_B1.ADDR8 SRAM_B2.ADDR8
ADDRB_B9: COUNTER1_U_COUNTER_WRP3.ADDR9 SRAM_B1.ADDR9 SRAM_B2.ADDR9
ADDRB_B10: COUNTER1_U_COUNTER_WRP3.ADDR10 SRAM_B1.ADDR10 SRAM_B2.ADDR10
ADDRB_B11: COUNTER1_U_COUNTER_WRP3.ADDR11 SRAM_B1.ADDR11 SRAM_B2.ADDR11
ADDRC_B0: COUNTER1_U_COUNTER_WRP2.ADDR0 SRAM_C1.ADDR0 SRAM_C2.ADDR0
ADDRC_B1: COUNTER1_U_COUNTER_WRP2.ADDR1 SRAM_C1.ADDR1 SRAM_C2.ADDR1
ADDRC_B2: COUNTER1_U_COUNTER_WRP2.ADDR2 SRAM_C1.ADDR2 SRAM_C2.ADDR2
ADDRC_B3: COUNTER1_U_COUNTER_WRP2.ADDR3 SRAM_C1.ADDR3 SRAM_C2.ADDR3
ADDRC_B4: COUNTER1_U_COUNTER_WRP2.ADDR4 SRAM_C1.ADDR4 SRAM_C2.ADDR4
ADDRC_B5: COUNTER1_U_COUNTER_WRP2.ADDR5 SRAM_C1.ADDR5 SRAM_C2.ADDR5
ADDRC_B6: COUNTER1_U_COUNTER_WRP2.ADDR6 SRAM_C1.ADDR6 SRAM_C2.ADDR6
ADDRC_B7: COUNTER1_U_COUNTER_WRP2.ADDR7 SRAM_C1.ADDR7 SRAM_C2.ADDR7
ADDRC_B8: COUNTER1_U_COUNTER_WRP2.ADDR8 SRAM_C1.ADDR8 SRAM_C2.ADDR8
ADDRC_B9: COUNTER1_U_COUNTER_WRP2.ADDR9 SRAM_C1.ADDR9 SRAM_C2.ADDR9
ADDRC_B10: COUNTER1_U_COUNTER_WRP2.ADDR10 SRAM_C1.ADDR10 SRAM_C2.ADDR10
ADDRC_B11: COUNTER1_U_COUNTER_WRP2.ADDR11 SRAM_C1.ADDR11 SRAM_C2.ADDR11
ADDRD_B0: COUNTER1_U_COUNTER_WRP1.ADDR0 SRAM_D1.ADDR0 SRAM_D2.ADDR0
ADDRD_B1: COUNTER1_U_COUNTER_WRP1.ADDR1 SRAM_D1.ADDR1 SRAM_D2.ADDR1
ADDRD_B2: COUNTER1_U_COUNTER_WRP1.ADDR2 SRAM_D1.ADDR2 SRAM_D2.ADDR2
ADDRD_B3: COUNTER1_U_COUNTER_WRP1.ADDR3 SRAM_D1.ADDR3 SRAM_D2.ADDR3
ADDRD_B4: COUNTER1_U_COUNTER_WRP1.ADDR4 SRAM_D1.ADDR4 SRAM_D2.ADDR4
ADDRD_B5: COUNTER1_U_COUNTER_WRP1.ADDR5 SRAM_D1.ADDR5 SRAM_D2.ADDR5
ADDRD_B6: COUNTER1_U_COUNTER_WRP1.ADDR6 SRAM_D1.ADDR6 SRAM_D2.ADDR6
ADDRD_B7: COUNTER1_U_COUNTER_WRP1.ADDR7 SRAM_D1.ADDR7 SRAM_D2.ADDR7
ADDRD_B8: COUNTER1_U_COUNTER_WRP1.ADDR8 SRAM_D1.ADDR8 SRAM_D2.ADDR8
ADDRD_B9: COUNTER1_U_COUNTER_WRP1.ADDR9 SRAM_D1.ADDR9 SRAM_D2.ADDR9
ADDRD_B10: COUNTER1_U_COUNTER_WRP1.ADDR10 SRAM_D1.ADDR10 SRAM_D2.ADDR10
ADDRD_B11: COUNTER1_U_COUNTER_WRP1.ADDR11 SRAM_D1.ADDR11 SRAM_D2.ADDR11
CLK: COUNTER1_U_COUNTER_WRP1.~CLK COUNTER1_U_COUNTER_WRP2.~CLK COUNTER1_U_COUNTER_WRP3.~CLK COUNTER1_U_COUNTER_WRP4.~CLK ETH2.38
CLR_COUNTER_W_U_COUNTER_WRP1: COUNTER1_U_COUNTER_WRP1.CLR COUNTER1_U_COUNTER_WRP2.CLR COUNTER1_U_COUNTER_WRP3.CLR COUNTER1_U_COUNTER_WRP4.CLR ETH2.37
EN: ETH2.40 VT1_U_VT_WRP1.EN VT1_U_VT_WRP2.EN VT1_U_VT_WRP3.EN VT1_U_VT_WRP4.EN VT1_U_VT_WRP5.EN VT1_U_VT_WRP6.EN VT1_U_VT_WRP7.EN VT1_U_VT_WRP8.EN VT1_U_VT_WRP9.EN VT1_U_VT_WRP10.EN VT1_U_VT_WRP11.EN VT1_U_VT_WRP12.EN VT1_U_VT_WRP13.EN VT1_U_VT_WRP14.EN VT1_U_VT_WRP15.EN VT1_U_VT_WRP16.EN
EXTERNAL0: ETH1_U_HEADER_WRP8.1
EXTERNAL1: ETH1_U_HEADER_WRP8.2
EXTERNAL2: ETH1_U_HEADER_WRP8.3
EXTERNAL3: ETH1_U_HEADER_WRP8.4
EXTERNAL4: ETH1_U_HEADER_WRP8.5
EXTERNAL5: ETH1_U_HEADER_WRP8.6
EXTERNAL6: ETH1_U_HEADER_WRP8.7
EXTERNAL7: ETH1_U_HEADER_WRP8.8
EXTERNAL8: ETH1_U_HEADER_WRP8.9
EXTERNAL9: ETH1_U_HEADER_WRP8.10
EXTERNAL10: ETH1_U_HEADER_WRP8.11
EXTERNAL11: ETH1_U_HEADER_WRP8.12
EXTERNAL12: ETH1_U_HEADER_WRP8.13
EXTERNAL13: ETH1_U_HEADER_WRP8.14
EXTERNAL14: ETH1_U_HEADER_WRP8.15
EXTERNAL15: ETH1_U_HEADER_WRP8.16
EXTERNAL16: ETH1_U_HEADER_WRP7.1
EXTERNAL17: ETH1_U_HEADER_WRP7.2
EXTERNAL18: ETH1_U_HEADER_WRP7.3
EXTERNAL19: ETH1_U_HEADER_WRP7.4
EXTERNAL20: ETH1_U_HEADER_WRP7.5
EXTERNAL21: ETH1_U_HEADER_WRP7.6
EXTERNAL22: ETH1_U_HEADER_WRP7.7
EXTERNAL23: ETH1_U_HEADER_WRP7.8
EXTERNAL24: ETH1_U_HEADER_WRP7.9
EXTERNAL25: ETH1_U_HEADER_WRP7.10
EXTERNAL26: ETH1_U_HEADER_WRP7.11
EXTERNAL27: ETH1_U_HEADER_WRP7.12
EXTERNAL28: ETH1_U_HEADER_WRP7.13
EXTERNAL29: ETH1_U_HEADER_WRP7.14
EXTERNAL30: ETH1_U_HEADER_WRP7.15
EXTERNAL31: ETH1_U_HEADER_WRP7.16
EXTERNAL32: ETH1_U_HEADER_WRP6.1
EXTERNAL33: ETH1_U_HEADER_WRP6.2
EXTERNAL34: ETH1_U_HEADER_WRP6.3
EXTERNAL35: ETH1_U_HEADER_WRP6.4
EXTERNAL36: ETH1_U_HEADER_WRP6.5
EXTERNAL37: ETH1_U_HEADER_WRP6.6
EXTERNAL38: ETH1_U_HEADER_WRP6.7
EXTERNAL39: ETH1_U_HEADER_WRP6.8
EXTERNAL40: ETH1_U_HEADER_WRP6.9
EXTERNAL41: ETH1_U_HEADER_WRP6.10
EXTERNAL42: ETH1_U_HEADER_WRP6.11
EXTERNAL43: ETH1_U_HEADER_WRP6.12
EXTERNAL44: ETH1_U_HEADER_WRP6.13
EXTERNAL45: ETH1_U_HEADER_WRP6.14
EXTERNAL46: ETH1_U_HEADER_WRP6.15
EXTERNAL47: ETH1_U_HEADER_WRP6.16
EXTERNAL48: ETH1_U_HEADER_WRP5.1
EXTERNAL49: ETH1_U_HEADER_WRP5.2
EXTERNAL50: ETH1_U_HEADER_WRP5.3
EXTERNAL51: ETH1_U_HEADER_WRP5.4
EXTERNAL52: ETH1_U_HEADER_WRP5.5
EXTERNAL53: ETH1_U_HEADER_WRP5.6
EXTERNAL54: ETH1_U_HEADER_WRP5.7
EXTERNAL55: ETH1_U_HEADER_WRP5.8
EXTERNAL56: ETH1_U_HEADER_WRP5.9
EXTERNAL57: ETH1_U_HEADER_WRP5.10
EXTERNAL58: ETH1_U_HEADER_WRP5.11
EXTERNAL59: ETH1_U_HEADER_WRP5.12
EXTERNAL60: ETH1_U_HEADER_WRP5.13
EXTERNAL61: ETH1_U_HEADER_WRP5.14
EXTERNAL62: ETH1_U_HEADER_WRP5.15
EXTERNAL63: ETH1_U_HEADER_WRP5.16
EXTERNAL64: ETH1_U_HEADER_WRP4.1
EXTERNAL65: ETH1_U_HEADER_WRP4.2
EXTERNAL66: ETH1_U_HEADER_WRP4.3
EXTERNAL67: ETH1_U_HEADER_WRP4.4
EXTERNAL68: ETH1_U_HEADER_WRP4.5
EXTERNAL69: ETH1_U_HEADER_WRP4.6
EXTERNAL70: ETH1_U_HEADER_WRP4.7
EXTERNAL71: ETH1_U_HEADER_WRP4.8
EXTERNAL72: ETH1_U_HEADER_WRP4.9
EXTERNAL73: ETH1_U_HEADER_WRP4.10
EXTERNAL74: ETH1_U_HEADER_WRP4.11
EXTERNAL75: ETH1_U_HEADER_WRP4.12
EXTERNAL76: ETH1_U_HEADER_WRP4.13
EXTERNAL77: ETH1_U_HEADER_WRP4.14
EXTERNAL78: ETH1_U_HEADER_WRP4.15
EXTERNAL79: ETH1_U_HEADER_WRP4.16
EXTERNAL80: ETH1_U_HEADER_WRP3.1
EXTERNAL81: ETH1_U_HEADER_WRP3.2
EXTERNAL82: ETH1_U_HEADER_WRP3.3
EXTERNAL83: ETH1_U_HEADER_WRP3.4
EXTERNAL84: ETH1_U_HEADER_WRP3.5
EXTERNAL85: ETH1_U_HEADER_WRP3.6
EXTERNAL86: ETH1_U_HEADER_WRP3.7
EXTERNAL87: ETH1_U_HEADER_WRP3.8
EXTERNAL88: ETH1_U_HEADER_WRP3.9
EXTERNAL89: ETH1_U_HEADER_WRP3.10
EXTERNAL90: ETH1_U_HEADER_WRP3.11
EXTERNAL91: ETH1_U_HEADER_WRP3.12
EXTERNAL92: ETH1_U_HEADER_WRP3.13
EXTERNAL93: ETH1_U_HEADER_WRP3.14
EXTERNAL94: ETH1_U_HEADER_WRP3.15
EXTERNAL95: ETH1_U_HEADER_WRP3.16
EXTERNAL96: ETH1_U_HEADER_WRP2.1
EXTERNAL97: ETH1_U_HEADER_WRP2.2
EXTERNAL98: ETH1_U_HEADER_WRP2.3
EXTERNAL99: ETH1_U_HEADER_WRP2.4
EXTERNAL100: ETH1_U_HEADER_WRP2.5
EXTERNAL101: ETH1_U_HEADER_WRP2.6
EXTERNAL102: ETH1_U_HEADER_WRP2.7
EXTERNAL103: ETH1_U_HEADER_WRP2.8
EXTERNAL104: ETH1_U_HEADER_WRP2.9
EXTERNAL105: ETH1_U_HEADER_WRP2.10
EXTERNAL106: ETH1_U_HEADER_WRP2.11
EXTERNAL107: ETH1_U_HEADER_WRP2.12
EXTERNAL108: ETH1_U_HEADER_WRP2.13
EXTERNAL109: ETH1_U_HEADER_WRP2.14
EXTERNAL110: ETH1_U_HEADER_WRP2.15
EXTERNAL111: ETH1_U_HEADER_WRP2.16
EXTERNAL112: ETH1_U_HEADER_WRP1.1
EXTERNAL113: ETH1_U_HEADER_WRP1.2
EXTERNAL114: ETH1_U_HEADER_WRP1.3
EXTERNAL115: ETH1_U_HEADER_WRP1.4
EXTERNAL116: ETH1_U_HEADER_WRP1.5
EXTERNAL117: ETH1_U_HEADER_WRP1.6
EXTERNAL118: ETH1_U_HEADER_WRP1.7
EXTERNAL119: ETH1_U_HEADER_WRP1.8
EXTERNAL120: ETH1_U_HEADER_WRP1.9
EXTERNAL121: ETH1_U_HEADER_WRP1.10
EXTERNAL122: ETH1_U_HEADER_WRP1.11
EXTERNAL123: ETH1_U_HEADER_WRP1.12
EXTERNAL124: ETH1_U_HEADER_WRP1.13
EXTERNAL125: ETH1_U_HEADER_WRP1.14
EXTERNAL126: ETH1_U_HEADER_WRP1.15
EXTERNAL127: ETH1_U_HEADER_WRP1.16
FPGA_CLK: ETH2.4
FPGA_EN: ETH2.1
FPGA_RST: ETH2.5
FPGA_SHCP: ETH2.12
FPGA_STCP: ETH2.11
FPGA_~CS: ETH2.6
FPGA_~MR: ETH2.9
FPGA_~OE: ETH2.7
FPGA_~PL: ETH2.10
FPGA_~WE: ETH2.8
GLOBAL_3V3: ETH2.2
GLOBAL_VCC: ETH2.3